# KiCad board corne-cherry-wireless.kicad_pcb
title: Corne Cherry Wireless; date: 2024-02-16; rev: 1.0.1; company: foostan & GsvCargoCult
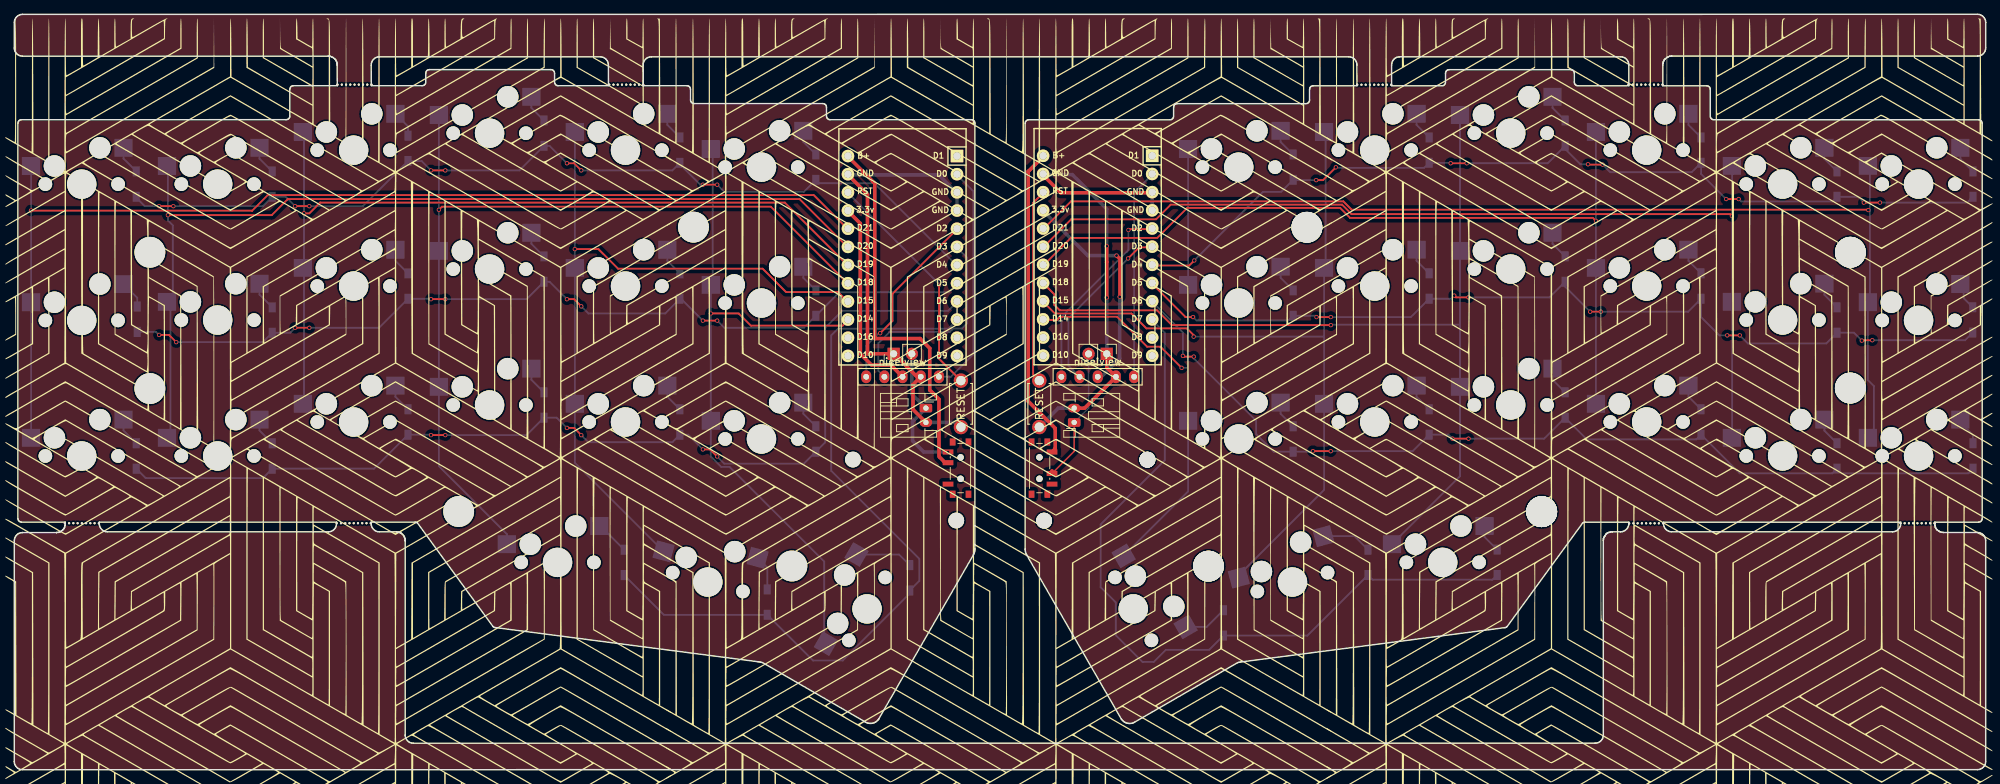
[diagram p0: board, top side]
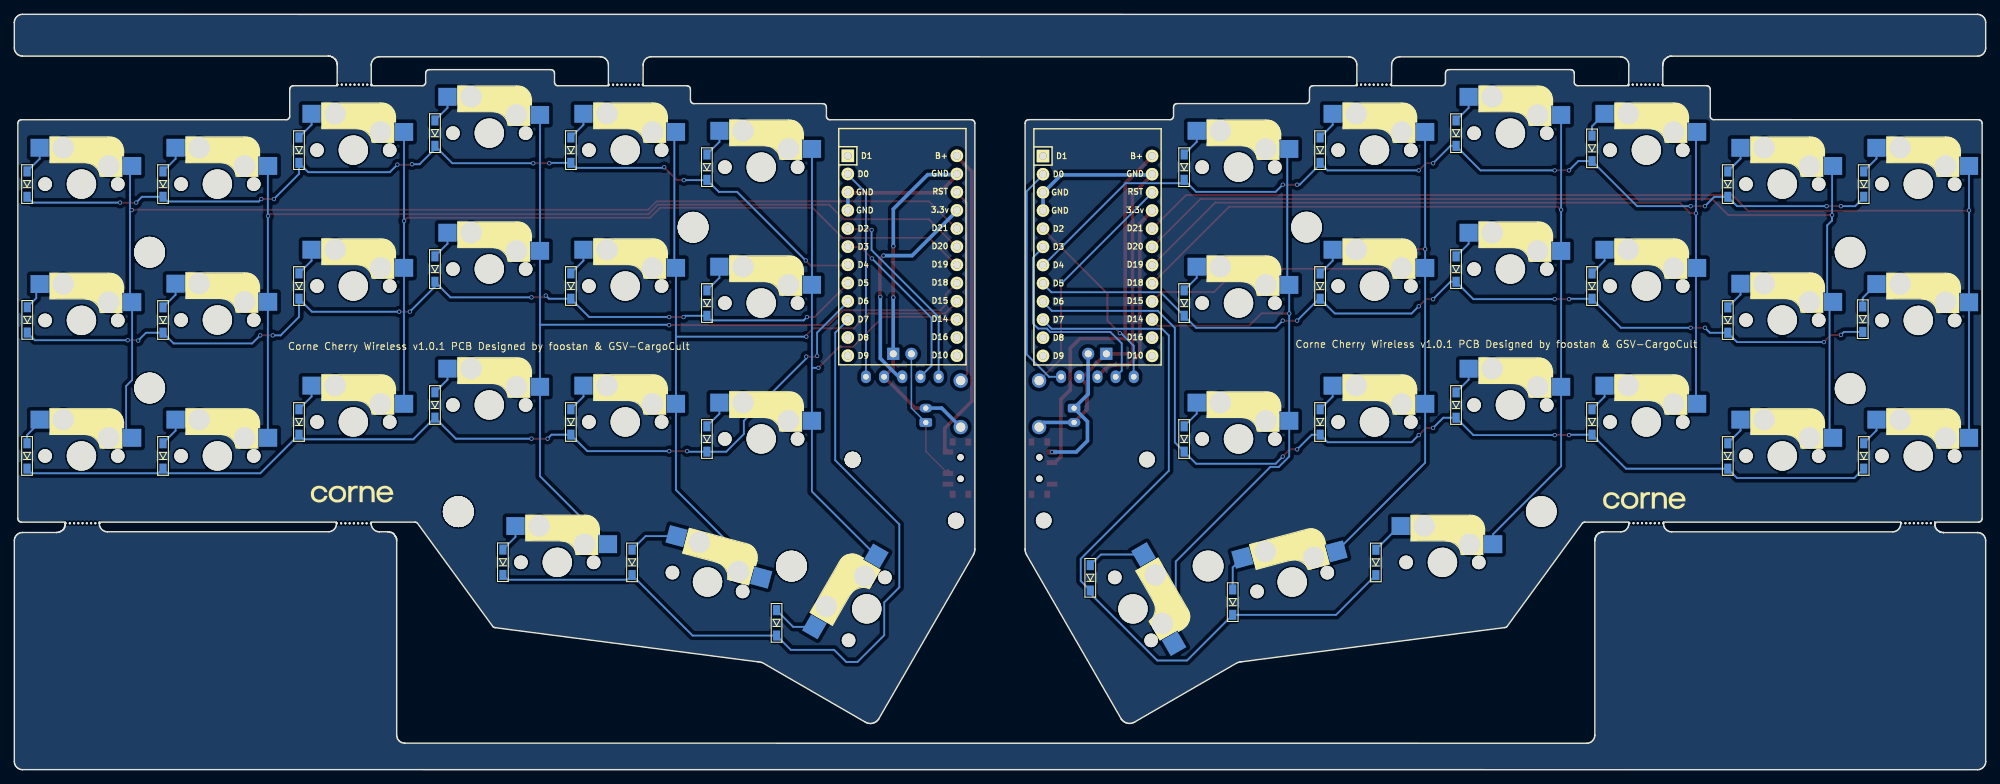
[diagram p1: board, bottom side, seen from below]

Outline 275.51 x 105.6 mm; copper layers: Top, Bottom. Coordinates in mm from the lower left corner of the outline.
Outline path: 0.5,35.12 0.5,90.36 0.53,90.53 0.6,90.66 0.7,90.76 0.83,90.83 1,90.86 38,90.87 ; 0.5,35.11 0.53,34.94 0.6,34.81 0.7,34.71 0.83,34.64 1,34.61 7.12,34.61 7.12,34.38 7.12,34.38 7.1,34.15 7.1,34.14 7.03,33.92 7.03,33.91 7.03,33.91 6.92,33.71 6.92,33.7 6.77,33.52 6.77,33.51 6.76,33.51 6.58,33.36 6.58,33.36 6.37,33.25 6.36,33.24 6.14,33.17 6.13,33.17 5.9,33.15 1.13,33.15 0.91,33.13 0.7,33.06 0.5,32.95 0.33,32.81 0.19,32.64 0.09,32.45 0.02,32.23 0,32.01 0,1.13 0.02,0.91 0.09,0.7 0.2,0.5 0.34,0.33 0.51,0.19 0.7,0.08 0.92,0.02 1.14,0 274.37,0.01 274.38,0.01 274.6,0.03 274.81,0.1 275.01,0.2 275.18,0.34 275.32,0.52 275.42,0.71 275.49,0.92 275.51,1.15 275.51,32.03 275.48,32.25 275.42,32.46 275.31,32.66 275.17,32.83 275,32.97 274.8,33.07 274.59,33.14 274.37,33.16 269.62,33.16 269.38,33.18 269.38,33.18 269.37,33.18 269.15,33.25 269.14,33.25 268.94,33.36 268.93,33.37 268.75,33.51 268.75,33.52 268.74,33.52 268.6,33.7 268.59,33.71 268.48,33.91 268.48,33.92 268.41,34.14 268.41,34.15 268.38,34.38 268.38,34.39 268.38,34.39 268.39,34.6 274.52,34.6 274.69,34.64 274.82,34.7 274.92,34.81 274.99,34.94 275.02,35.11 ; 38,90.86 38.17,90.89 38.3,90.96 38.4,91.06 38.47,91.19 38.5,91.36 ; 38.5,95.12 38.5,91.37 ; 38.5,95.11 38.53,95.28 38.6,95.41 38.7,95.51 38.83,95.58 39,95.61 45.13,95.61 45.13,98.51 45.13,98.52 45.1,98.76 45.1,98.77 45.1,98.77 45.03,98.99 45.03,98.99 44.92,99.2 44.91,99.21 44.91,99.21 44.76,99.39 44.76,99.39 44.58,99.54 44.57,99.55 44.36,99.65 44.36,99.65 44.36,99.66 44.13,99.72 44.12,99.73 43.89,99.75 1.14,99.75 0.92,99.77 0.7,99.83 0.51,99.94 0.34,100.08 0.2,100.25 0.09,100.44 0.02,100.66 0,100.88 0,104.45 0.02,104.67 0.09,104.88 0.19,105.08 0.33,105.25 0.5,105.39 0.7,105.5 0.91,105.56 1.13,105.59 1.14,105.59 274.37,105.6 274.59,105.57 274.8,105.51 275,105.4 275.17,105.27 275.31,105.09 275.42,104.9 275.48,104.69 275.51,104.46 275.51,100.9 275.49,100.68 275.42,100.46 275.32,100.27 275.18,100.09 275.01,99.95 274.81,99.85 274.6,99.78 274.38,99.76 231.61,99.76 231.38,99.73 231.37,99.73 231.14,99.66 231.14,99.66 230.93,99.55 230.93,99.54 230.92,99.54 230.75,99.4 230.74,99.39 230.74,99.39 230.59,99.21 230.59,99.2 230.59,99.2 230.59,99.2 230.48,99 230.47,98.99 230.47,98.99 230.41,98.77 230.41,98.76 230.41,98.76 230.38,98.52 230.38,98.52 230.39,95.61 236.52,95.61 236.69,95.58 236.82,95.5 236.92,95.4 236.99,95.27 237.02,95.11 ; 55.77,3.7 55.54,3.72 55.33,3.78 55.13,3.89 54.96,4.03 54.82,4.2 54.71,4.4 54.65,4.61 54.63,4.83 54.63,32.02 54.6,32.26 54.6,32.27 54.53,32.49 54.53,32.49 54.42,32.7 54.41,32.71 54.26,32.89 54.26,32.89 54.08,33.04 54.07,33.04 54.07,33.04 54.07,33.05 53.86,33.15 53.86,33.16 53.63,33.22 53.63,33.23 53.62,33.23 53.39,33.25 51.02,33.25 50.79,33.27 50.58,33.33 50.38,33.44 50.21,33.58 50.07,33.75 49.96,33.94 49.9,34.16 49.88,34.38 49.88,34.39 49.87,34.61 56,34.61 56.09,34.6 56.24,34.55 56.36,34.47 66.9,20.01 67.02,19.92 67.16,19.87 67.25,19.86 103.92,15.09 104.08,15.07 104.26,15.04 104.42,15.01 104.58,14.96 118.87,6.7 119,6.63 119.14,6.56 119.29,6.51 119.46,6.48 119.64,6.47 119.83,6.48 120,6.51 120.15,6.56 120.3,6.63 120.42,6.7 120.55,6.79 120.65,6.89 120.74,7 120.8,7.08 120.8,7.08 134.03,30.02 134.1,30.15 134.16,30.29 134.2,30.45 134.24,30.62 134.25,30.8 134.25,30.89 ; 55.77,3.7 220.93,3.71 220.94,3.71 221.16,3.73 221.37,3.8 221.57,3.9 221.74,4.04 221.88,4.22 221.98,4.41 222.05,4.63 222.07,4.85 222.07,32.02 222.09,32.26 222.09,32.26 222.09,32.27 222.16,32.49 222.16,32.49 222.17,32.5 222.28,32.7 222.28,32.71 222.43,32.89 222.43,32.89 222.43,32.9 222.61,33.04 222.62,33.05 222.82,33.16 222.83,33.16 222.83,33.16 223.05,33.23 223.06,33.23 223.29,33.26 224.5,33.26 224.72,33.28 224.94,33.35 225.13,33.45 225.3,33.59 225.44,33.77 225.55,33.96 225.61,34.18 225.63,34.4 225.64,34.6 219.52,34.6 219.43,34.6 219.28,34.54 219.16,34.46 208.62,20 208.51,19.92 208.36,19.86 208.27,19.86 171.6,15.09 171.44,15.06 171.26,15.04 171.1,15 170.94,14.96 156.65,6.7 156.52,6.62 156.39,6.56 156.23,6.5 156.07,6.47 155.88,6.46 155.69,6.47 155.52,6.5 155.37,6.55 155.23,6.62 155.1,6.69 154.99,6.78 154.88,6.88 154.78,6.98 154.72,7.07 154.72,7.07 141.49,30.01 ; 57,95.62 49.89,95.62 49.88,98.51 49.9,98.73 49.96,98.95 50.07,99.14 50.21,99.31 50.38,99.45 50.57,99.56 50.78,99.63 51.01,99.65 81.88,99.65 82.11,99.63 82.32,99.56 82.52,99.46 82.69,99.32 82.83,99.15 82.94,98.95 83,98.74 83.02,98.52 83.02,98.51 83.04,95.61 76,95.61 75.83,95.64 75.7,95.71 75.6,95.81 75.53,95.94 75.5,96.11 ; 57,95.61 57.17,95.64 57.3,95.71 57.4,95.81 57.48,95.94 57.5,96.11 ; 57.5,96.12 57.5,97.36 57.53,97.53 57.6,97.66 57.7,97.76 57.83,97.83 58,97.86 ; 75,97.87 58,97.87 ; 75,97.86 75.17,97.83 75.3,97.76 75.4,97.67 75.47,97.53 75.5,97.36 ; 75.5,96.12 75.5,97.37 ; 94,95.62 87.88,95.62 87.88,98.51 87.9,98.73 87.96,98.95 88.06,99.14 88.21,99.31 88.38,99.45 88.57,99.56 88.79,99.63 89.01,99.65 89.01,99.65 186.49,99.66 186.72,99.64 186.93,99.57 187.12,99.47 187.3,99.33 187.44,99.16 187.54,98.96 187.61,98.75 187.63,98.53 187.63,98.52 187.64,95.61 181.52,95.61 ; 94,95.61 94.17,95.59 94.3,95.51 94.4,95.42 94.47,95.28 94.5,95.11 ; 94.5,93.62 94.5,95.12 ; 94.5,93.61 94.53,93.44 94.6,93.31 94.7,93.21 94.83,93.14 95,93.11 ; 113,93.12 95,93.12 ; 113,93.11 113.17,93.08 113.3,93.01 113.4,92.92 113.47,92.78 113.5,92.61 ; 113.5,92.62 113.5,91.36 113.53,91.19 113.6,91.06 113.7,90.96 113.84,90.89 114,90.86 133.75,90.87 ; 133.75,90.86 133.92,90.84 134.05,90.76 134.15,90.67 134.22,90.53 134.25,90.36 ; 134.25,90.37 134.25,30.89 ; 141.27,90.36 141.27,30.88 ; 141.27,90.36 141.3,90.53 141.37,90.66 141.47,90.76 141.6,90.83 141.77,90.86 ; 141.27,30.88 141.27,30.79 141.29,30.6 141.32,30.44 141.37,30.28 141.43,30.14 141.5,30.01 ; 141.77,90.86 161.52,90.86 161.69,90.88 161.82,90.95 161.92,91.05 161.99,91.18 162.02,91.36 162.02,92.61 ; 162.02,92.61 162.05,92.78 162.12,92.91 162.22,93.01 162.35,93.08 162.52,93.11 ; 162.52,93.11 180.52,93.11 ; 180.52,93.11 180.69,93.13 180.81,93.21 180.92,93.3 180.99,93.43 181.02,93.61 ; 181.02,95.11 181.05,95.28 181.12,95.4 181.22,95.51 181.35,95.58 181.52,95.61 ; 181.02,93.61 181.02,95.11 ; 200.02,97.36 200.05,97.53 200.12,97.66 200.22,97.76 200.35,97.83 200.52,97.86 ; 200.02,96.11 200.02,97.36 ; 200.02,96.11 199.99,95.94 199.92,95.8 199.82,95.7 199.69,95.63 199.52,95.61 192.48,95.61 192.48,98.52 192.5,98.74 192.57,98.95 192.67,99.15 192.81,99.32 192.98,99.46 193.18,99.57 193.39,99.63 193.61,99.66 224.49,99.66 224.72,99.64 224.93,99.57 225.13,99.47 225.3,99.33 225.44,99.16 225.54,98.96 225.61,98.75 225.63,98.53 225.63,98.52 225.63,95.61 218.52,95.61 ; 200.52,97.86 217.52,97.86 ; 217.52,97.86 217.69,97.83 217.82,97.75 217.92,97.66 217.99,97.53 218.02,97.36 ; 218.02,97.36 218.02,96.11 ; 218.02,96.11 218.05,95.94 218.12,95.81 218.22,95.71 218.35,95.64 218.52,95.61 ; 237.02,95.11 237.02,91.36 ; 237.02,91.36 237.05,91.19 237.12,91.06 237.22,90.96 237.35,90.89 237.52,90.86 ; 237.52,90.86 274.52,90.86 274.69,90.83 274.82,90.75 274.92,90.66 274.99,90.52 275.02,90.36 275.02,35.11 ; 11.87,34.39 11.87,34.38 11.9,34.16 11.96,33.94 12.07,33.75 12.21,33.58 12.38,33.44 12.58,33.33 12.79,33.27 13.01,33.25 43.89,33.25 44.12,33.27 44.33,33.34 44.52,33.44 44.69,33.58 44.84,33.76 44.94,33.95 45,34.17 45.03,34.39 45.03,34.61 11.88,34.61 11.87,34.39 ; 230.48,34.4 230.48,34.39 230.51,34.17 230.57,33.95 230.68,33.76 230.82,33.59 230.99,33.45 231.19,33.34 231.4,33.28 231.62,33.26 262.5,33.26 262.72,33.28 262.94,33.35 263.13,33.45 263.3,33.59 263.44,33.77 263.55,33.96 263.61,34.18 263.63,34.4 263.64,34.61 230.49,34.61 230.48,34.4
Stack: Top 0.035mm / dielectric 1.51mm FR4 er 4.5 / Bottom 0.035mm

## Placement (name value [footprint] x y rotation side)
BATJ1  Conn_01x02_Socket  [PinHeader_1x02_P2.54mm_Vertical]  122.89 58.13 90 top
BATJ2  Conn_01x02_Socket  [JST_PH_S2B-PH-K_1x02_P2.00mm_Horizontal]  127.4 50.54 270 top
BATJ3  Conn_01x02_Socket  [PinHeader_1x02_P2.54mm_Vertical]  152.68 58.13 270 top
BATJ4  Conn_01x02_Socket  [JST_PH_S2B-PH-K_1x02_P2.00mm_Horizontal]  148.12 48.54 90 top
D1  D  [D3_SMD_v2]  17.05 81.86 90 bottom
D2  D  [D3_SMD_v2]  36.05 81.85 90 bottom
D3  D  [D3_SMD_v2]  55.02 86.85 90 bottom
D4  D  [D3_SMD_v2]  74.02 88.98 90 bottom
D5  D  [D3_SMD_v2]  93.02 86.6 90 bottom
D6  D  [D3_SMD_v2]  112.02 84.23 90 bottom
D7  D  [D3_SMD_v2]  17.18 62.97 90 bottom
D8  D  [D3_SMD_v2]  36.05 62.85 90 bottom
D9  D  [D3_SMD_v2]  55.02 67.6 90 bottom
D10  D  [D3_SMD_v2]  74.02 69.98 90 bottom
D11  D  [D3_SMD_v2]  93.02 67.6 90 bottom
D12  D  [D3_SMD_v2]  112.02 65.23 90 bottom
D13  D  [D3_SMD_v2]  17.05 43.86 90 bottom
D14  D  [D3_SMD_v2]  36.05 43.85 90 bottom
D15  D  [D3_SMD_v2]  55.02 48.6 90 bottom
D16  D  [D3_SMD_v2]  74.02 50.98 90 bottom
D17  D  [D3_SMD_v2]  93.02 48.6 90 bottom
D18  D  [D3_SMD_v2]  112.02 46.23 90 bottom
D19  D  [D3_SMD_v2]  85.23 28.97 90 bottom
D20  D  [D3_SMD_v2]  105.23 23.42 90 bottom
D21  D  [D3_SMD_v2]  125.13 26.82 90 bottom
D22  D  [D3_SMD_v2]  273.73 81.86 90 bottom
D23  D  [D3_SMD_v2]  254.73 81.86 90 bottom
D24  D  [D3_SMD_v2]  235.73 86.61 90 bottom
D25  D  [D3_SMD_v2]  216.73 88.98 90 bottom
D26  D  [D3_SMD_v2]  197.73 86.61 90 bottom
D27  D  [D3_SMD_v2]  178.72 84.23 90 bottom
D28  D  [D3_SMD_v2]  273.7 62.88 90 bottom
D29  D  [D3_SMD_v2]  254.73 62.86 90 bottom
D30  D  [D3_SMD_v2]  235.73 67.61 90 bottom
D31  D  [D3_SMD_v2]  216.73 69.98 90 bottom
D32  D  [D3_SMD_v2]  197.73 67.61 90 bottom
D33  D  [D3_SMD_v2]  178.72 65.23 90 bottom
D34  D  [D3_SMD_v2]  273.73 43.86 90 bottom
D35  D  [D3_SMD_v2]  254.73 43.86 90 bottom
D36  D  [D3_SMD_v2]  235.73 48.61 90 bottom
D37  D  [D3_SMD_v2]  216.73 50.98 90 bottom
D38  D  [D3_SMD_v2]  197.73 48.61 90 bottom
D39  D  [D3_SMD_v2]  178.72 46.23 90 bottom
D40  D  [D3_SMD_v2]  207.23 29 90 bottom
D41  D  [D3_SMD_v2]  189.18 28.98 90 bottom
D42  D  [D3_SMD_v2]  168.98 20.52 90 bottom
G***  -  [LOGO]  45.3 49.14 0 top
G***#2  -  [LOGO]  229.9 49.14 0 top
G***#3  -  [LOGO]  137.6 49.14 0 top
G***#4  LOGO  [corne-logo-horizontal]  47.6 37.54 180 bottom
G***#5  LOGO  [corne-logo-horizontal]  228.2 38.44 180 bottom
J2  Nice!View  [nice_view_1side]  119.06 54.92 0 top
J4  Nice!View  [nice_view_1side]  146.33 54.92 0 top
NOREF  -  [unnamed]  143.92 34.81 0 top
NOREF#2  -  [unnamed]  158.35 43.34 0 top
NOREF#3  -  [unnamed#2]  213.46 36.07 0 top
NOREF#4  -  [unnamed]  158.35 43.34 0 top
NOREF#5  -  [unnamed#2]  213.46 36.07 0 top
PSW1  SW_SPDT  [SW_SPDT_PCM12]  131.92 42.16 90 top
PSW_r1  SW_SPDT  [SW_SPDT_PCM12]  143.6 42.16 270 top
r  -  [unnamed]  143.92 34.81 0 top
REF**  -  [Breakaway_Tabs]  47.55 95.77 0 top
Ref**  Val**  [M2_HOLE_v2]  117.21 43.36 0 top
REF**#2  -  [Breakaway_Tabs]  85.52 95.76 0 top
Ref**#2  Val**  [M2_HOLE_v2#2]  213.46 36.07 0 top
REF**#3  -  [Breakaway_Tabs]  47.44 34.46 0 top
Ref**#3  Val**  [M2_HOLE_v2#2]  256.6 72.33 180 top
Ref**#4  Val**  [M2_HOLE_v2#2]  180.65 75.82 180 top
REF**#4  -  [Breakaway_Tabs]  9.44 34.46 0 top
Ref**#5  Val**  [M2_HOLE_v2#2]  166.89 28.45 180 top
REF**#5  -  [Breakaway_Tabs]  265.97 34.45 180 bottom
Ref**#6  Val**  [M2_HOLE_v2]  158.35 43.34 0 top
REF**#6  -  [Breakaway_Tabs]  190.05 95.75 180 bottom
Ref**#7  Val**  [M2_HOLE_v2#2]  213.46 36.07 0 top
REF**#7  -  [Breakaway_Tabs]  227.96 95.76 180 bottom
Ref**#8  Val**  [M2_HOLE_v2]  131.64 34.83 0 top
REF**#8  -  [Breakaway_Tabs]  228.05 34.44 180 bottom
Ref**#9  Val**  [M2_HOLE_v2#2]  180.65 75.82 180 top
Ref**#10  Val**  [M2_HOLE_v2#2]  18.95 72.33 0 top
Ref**#11  Val**  [M2_HOLE_v2#2]  62.1 36.09 0 top
Ref**#12  Val**  [M2_HOLE_v2#2]  256.59 53.35 180 top
Ref**#13  Val**  [M2_HOLE_v2#2]  108.67 28.47 0 top
Ref**#14  Val**  [M2_HOLE_v2#2]  18.95 53.28 0 top
Ref**#15  Val**  [M2_HOLE_v2#2]  256.59 53.35 180 top
Ref**#16  Val**  [M2_HOLE_v2#2]  166.89 28.45 180 top
Ref**#17  Val**  [M2_HOLE_v2#2]  94.91 75.84 0 top
Ref**#18  Val**  [M2_HOLE_v2#2]  256.6 72.33 180 top
Ref**#19  Val**  [M2_HOLE_v2]  158.35 43.34 0 top
RSW1  SW_PUSH  [ResetSW_1side]  132.29 51.14 90 top
RSW2  SW_PUSH  [ResetSW_1side]  143.25 51.14 90 top
SW1  SW_PUSH  [CherryMX_Hotswap]  9.42 81.85 0 top
SW2  SW_PUSH  [CherryMX_Hotswap]  28.42 81.85 0 top
SW3  SW_PUSH  [CherryMX_Hotswap]  47.42 86.6 0 top
SW4  SW_PUSH  [CherryMX_Hotswap]  66.42 88.98 0 top
SW5  SW_PUSH  [CherryMX_Hotswap]  85.42 86.6 0 top
SW6  SW_PUSH  [CherryMX_Hotswap]  104.42 84.23 0 top
SW7  SW_PUSH  [CherryMX_Hotswap]  9.42 62.8 0 top
SW8  SW_PUSH  [CherryMX_Hotswap]  28.42 62.85 0 top
SW9  SW_PUSH  [CherryMX_Hotswap]  47.42 67.6 0 top
SW10  SW_PUSH  [CherryMX_Hotswap]  66.42 69.98 0 top
SW11  SW_PUSH  [CherryMX_Hotswap]  85.42 67.6 0 top
SW12  SW_PUSH  [CherryMX_Hotswap]  104.42 65.23 0 top
SW13  SW_PUSH  [CherryMX_Hotswap]  9.42 43.85 0 top
SW14  SW_PUSH  [CherryMX_Hotswap]  28.42 43.85 0 top
SW15  SW_PUSH  [CherryMX_Hotswap]  47.42 48.6 0 top
SW16  SW_PUSH  [CherryMX_Hotswap]  66.42 50.98 0 top
SW17  SW_PUSH  [CherryMX_Hotswap]  85.42 48.6 0 top
SW18  SW_PUSH  [CherryMX_Hotswap]  104.42 46.23 0 top
SW19  SW_PUSH  [CherryMX_Hotswap]  75.92 28.98 0 top
SW20  SW_PUSH  [CherryMX_Hotswap]  96.92 26.23 345 top
SW21  SW_PUSH  [CherryMX_Hotswap_1.5u]  119.17 22.48 60 top
SW22  SW_PUSH  [CherryMX_Hotswap]  266.13 81.86 0 top
SW23  SW_PUSH  [CherryMX_Hotswap]  247.13 81.86 0 top
SW24  SW_PUSH  [CherryMX_Hotswap]  228.13 86.61 0 top
SW25  SW_PUSH  [CherryMX_Hotswap]  209.13 88.98 0 top
SW26  SW_PUSH  [CherryMX_Hotswap]  190.13 86.61 0 top
SW27  SW_PUSH  [CherryMX_Hotswap]  171.12 84.23 0 top
SW28  SW_PUSH  [CherryMX_Hotswap]  266.13 62.81 0 top
SW29  SW_PUSH  [CherryMX_Hotswap]  247.13 62.86 0 top
SW30  SW_PUSH  [CherryMX_Hotswap]  228.13 67.61 0 top
SW31  SW_PUSH  [CherryMX_Hotswap]  209.13 69.98 0 top
SW32  SW_PUSH  [CherryMX_Hotswap]  190.13 67.61 0 top
SW33  SW_PUSH  [CherryMX_Hotswap]  171.13 65.23 0 top
SW34  SW_PUSH  [CherryMX_Hotswap]  266.13 43.86 0 top
SW35  SW_PUSH  [CherryMX_Hotswap]  247.13 43.86 0 top
SW36  SW_PUSH  [CherryMX_Hotswap]  228.13 48.61 0 top
SW37  SW_PUSH  [CherryMX_Hotswap]  209.13 50.98 0 top
SW38  SW_PUSH  [CherryMX_Hotswap]  190.13 48.61 0 top
SW39  SW_PUSH  [CherryMX_Hotswap]  171.13 46.23 0 top
SW40  SW_PUSH  [CherryMX_Hotswap]  199.63 28.98 0 top
SW41  SW_PUSH  [CherryMX_Hotswap]  178.63 26.23 15 top
SW42  SW_PUSH  [CherryMX_Hotswap_1.5u]  156.38 22.48 300 top
U1  Nice!Nano  [Nice_Nano_V2_Flipped]  124.13 71.81 0 top
U2  Nice!Nano  [Nice_Nano_V2_Flipped]  151.4 71.84 0 top

## Library data of the parts
BATJ1-BATJ4 = -: Description: Generic connector, single row, 01x02, script generated
D1-D42 = -: Description: Diode
J2 J4 = -: Description: Generic connector, single row, 01x05, script generated (kicad-library-utils/schlib/autogen/connector/)
PSW1 PSW_r1 = -: Description: Switch, single pole double throw
U1 U2 = -: Field4: GND; Field5: D7

## Footprints (pads in the part's own frame, mm; a bottom-side part is the same pattern mirrored in y, then rotated)
Breakaway_Tabs
  round 0.3 hole 0.3 unplated: (-2.375,0) (-1.781,0) (-1.188,0) (-0.594,0) (0,0) (0.594,0) (1.188,0) (1.781,0) (2.375,0)
CherryMX_Hotswap
  round 1.9 hole 1.9 unplated: (-5.08,0) (5.08,0)
  round 3 hole 3 unplated: (-3.81,2.54) (2.54,5.08)
  round 4.1 hole 4.1 unplated: (0,0)
  rect 2.55x2.5 smd far side: 1(-7.085,2.54) 2(5.842,5.08)
CherryMX_Hotswap_1.5u
  round 1.9 hole 1.9 unplated: (-5.08,0) (5.08,0)
  round 3 hole 3 unplated: (-3.81,2.54) (2.54,5.08)
  round 4.1 hole 4.1 unplated: (0,0)
  rect 2.55x2.5 smd far side: 1(-7.085,2.54) 2(5.842,5.08)
D3_SMD_v2
  rect 1.4x1 smd: 1(-1.775,0) 2(1.775,0)
JST_PH_S2B-PH-K_1x02_P2.00mm_Horizontal
  rrect 1.2x1.75 hole 0.75: 1(0,0)
  oval 1.2x1.75 hole 0.75: 2(2,0)
M2_HOLE_v2
  round 2.2 hole 2.2 unplated: (0,0)
M2_HOLE_v2#2
  round 4.3 hole 4.3 unplated: (0,0)
Nice_Nano_V2_Flipped
  rect 1.753x1.753 hole 1.092: 1(7.62,13.97)
  round 1.753 hole 1.092: 2(7.62,11.43) 3(7.62,8.89) 4(7.62,6.35) 5(7.62,3.81) 6(7.62,1.27) 7(7.62,-1.27) 8(7.62,-3.81) 9(7.62,-6.35) 10(7.62,-8.89) 11(7.62,-11.43) 12(7.62,-13.97) 13(-7.62,-13.97) 14(-7.62,-11.43) 15(-7.62,-8.89) 16(-7.62,-6.35) 17(-7.62,-3.81) 18(-7.62,-1.27) 19(-7.62,1.27) 20(-7.62,3.81) 21(-7.62,6.35) 22(-7.62,8.89) 23(-7.62,11.43) 24(-7.62,13.97)
nice_view_1side
  oval 1.397x1.778 hole 0.813: 1(0,0) 2(2.54,0) 3(5.08,0) 4(7.62,0) 5(10.16,0)
PinHeader_1x02_P2.54mm_Vertical
  rect 1.7x1.7 hole 1: 1(0,0)
  oval 1.7x1.7 hole 1: 2(0,-2.54)
ResetSW_1side
  round 2 hole 1.3: 1(3.25,0) 2(-3.25,0)
SW_SPDT_PCM12
  rect 1x0.8 smd: (-3.65,0.78) (-3.65,-1.43) (3.65,0.78) (3.65,-1.43)
  round 0.9 hole 0.9 unplated: (-1.5,-0.33) (1.5,-0.33)
  rect 0.7x1.5 smd: 1(-2.25,1.43) 2(0.75,1.43) 3(2.25,1.43)
unnamed
  round 2.2 hole 2.2 unplated: (0,0)
unnamed#2
  round 4.3 hole 4.3 unplated: (0,0)

## Nets
GND: BATJ1.1 BATJ2.2 J2.4 RSW1.2 U1.3 U1.4 U1.23
GNDA: BATJ3.1 BATJ4.2 J4.4 RSW2.2 U2.3 U2.4 U2.23
VCC: J2.3 U1.21
VDD: J4.3 U2.21
+BATT: PSW1.2 U1.24
+BATTA: PSW_r1.1 U2.24
col0: SW1.1 SW7.1 SW13.1 U1.20
col0_r: SW22.1 SW28.1 SW34.1 U2.20
col1: SW2.1 SW8.1 SW14.1 U1.19
col1_r: SW23.1 SW29.1 SW35.1 U2.19
col2: SW3.1 SW9.1 SW15.1 U1.18
col2_r: SW24.1 SW30.1 SW36.1 U2.18
col3: SW4.1 SW10.1 SW16.1 SW19.1 U1.17
col3_r: SW25.1 SW31.1 SW37.1 SW40.1 U2.17
col4: SW5.1 SW11.1 SW17.1 SW20.1 U1.16
col4_r: SW26.1 SW32.1 SW38.1 SW41.1 U2.16
col5: SW6.1 SW12.1 SW18.1 SW21.1 U1.15
col5_r: SW27.1 SW33.1 SW39.1 SW42.1 U2.15
CS: J2.5 U1.2
CS_r: J4.5 U2.2
reset: RSW1.1 U1.22
reset_r: RSW2.1 U2.22
row0: D1.1 D2.1 D3.1 D4.1 D5.1 D6.1 U1.7
row0_r: D22.1 D23.1 D24.1 D25.1 D26.1 D27.1 U2.7
row1: D7.1 D8.1 D9.1 D10.1 D11.1 D12.1 U1.8
row1_r: D28.1 D29.1 D30.1 D31.1 D32.1 D33.1 U2.8
row2: D13.1 D14.1 D15.1 D16.1 D17.1 D18.1 U1.9
row2_r: D34.1 D35.1 D36.1 D37.1 D38.1 D39.1 U2.9
row3: D19.1 D20.1 D21.1 U1.10
row3_r: D40.1 D41.1 D42.1 U2.10
SCL: J2.2 U1.6
SCL_r: J4.2 U2.6
SDA: J2.1 U1.5
SDA_r: J4.1 U2.5
Net-(BATJ1-Pin_2): BATJ1.2 BATJ2.1 PSW1.3
Net-(BATJ3-Pin_2): BATJ3.2 BATJ4.1 PSW_r1.2
Net-(D1-A): D1.2 SW1.2
Net-(D2-A): D2.2 SW2.2
Net-(D3-A): D3.2 SW3.2
Net-(D4-A): D4.2 SW4.2
Net-(D5-A): D5.2 SW5.2
Net-(D6-A): D6.2 SW6.2
Net-(D7-A): D7.2 SW7.2
Net-(D8-A): D8.2 SW8.2
Net-(D9-A): D9.2 SW9.2
Net-(D10-A): D10.2 SW10.2
Net-(D11-A): D11.2 SW11.2
Net-(D12-A): D12.2 SW12.2
Net-(D13-A): D13.2 SW13.2
Net-(D14-A): D14.2 SW14.2
Net-(D15-A): D15.2 SW15.2
Net-(D16-A): D16.2 SW16.2
Net-(D17-A): D17.2 SW17.2
Net-(D18-A): D18.2 SW18.2
Net-(D19-A): D19.2 SW19.2
Net-(D20-A): D20.2 SW20.2
Net-(D21-A): D21.2 SW21.2
Net-(D22-A): D22.2 SW22.2
Net-(D23-A): D23.2 SW23.2
Net-(D24-A): D24.2 SW24.2
Net-(D25-A): D25.2 SW25.2
Net-(D26-A): D26.2 SW26.2
Net-(D27-A): D27.2 SW27.2
Net-(D28-A): D28.2 SW28.2
Net-(D29-A): D29.2 SW29.2
Net-(D30-A): D30.2 SW30.2
Net-(D31-A): D31.2 SW31.2
Net-(D32-A): D32.2 SW32.2
Net-(D33-A): D33.2 SW33.2
Net-(D34-A): D34.2 SW34.2
Net-(D35-A): D35.2 SW35.2
Net-(D36-A): D36.2 SW36.2
Net-(D37-A): D37.2 SW37.2
Net-(D38-A): D38.2 SW38.2
Net-(D39-A): D39.2 SW39.2
Net-(D40-A): D40.2 SW40.2
Net-(D41-A): D41.2 SW41.2
Net-(D42-A): D42.2 SW42.2

Pads without a net: PSW1 1; PSW_r1 3; U1 1 11 12 13 14; U2 1 11 12 13 14

## Via types
v1: diameter 0.6, hole 0.4, Top to Bottom, 75 vias

## Routing (per net, layer and track width the routed paths; a pad name or vN(x,y) marks a point on that pad's centre or on a via; arc(x,y) is an arc through that point)
GND: length 66.6
  Top w0.203: J2.4 126.23,54.48
  Top w0.5: 116.52,83.15 119.23,80.44 119.23,58.13 122.95,58.13 126.42,54.67 125.59,53.84 125.59,50.35 BATJ2.2
  Bottom w0.5: 116.52,83.15 129.2,83.15 131.74,80.61 131.74,78.07 ; RSW1.2 131.64,48.54 BATJ2.2
GNDA: length 67.6
  Top w0.5: J4.4 149.57,50.54 BATJ4.2 ; J4.4 152.68,56.2 BATJ3.1 ; J4.4 153.95,55.19 153.96,55.2 ; v1(152.66,66) 152.67,66.01 152.67,70.92 152.66,70.93 v1(152.66,73.17) ; 143.71,83.18 146.25,80.64 159.01,80.64
  Bottom w0.5: BATJ4.2 145.9,50.54 RSW2.2 ; BATJ3.1 152.68,65.99 v1(152.66,66) ; v1(152.66,73.17) 152.66,78.37 147.85,83.18 143.79,83.18 ; 159.01,80.64 159.01,78.1
VCC: length 27.9
  Top w0.5: J2.3 122.49,56.57 119.8,56.57 118.23,58.14 118.23,76.36 116.52,78.07
VDD: length 31.6
  Top w0.5: v1(154.04,71.87) 154.53,71.37 154.53,66.15 v1(154.48,66.1)
  Bottom w0.5: v1(154.04,71.87) 150.03,71.87 143.79,78.1 ; J4.3 151.91,54.92 154.48,57.49 v1(154.48,66.1)
+BATT: length 52.5
  Top w0.5: PSW1.2 130.09,42.91 129.24,43.76 129.24,51.78 127.93,53.08 127.93,58.91 126.58,60.27 120.26,60.27 120.26,81.95 116.52,85.69
+BATTA: length 43.9
  Top w0.5: PSW_r1.1 145.46,44.85 145.46,47.73 141.69,51.5 141.69,83.62 143.79,85.72
col0: length 155.1
  Top w0.254: 116.52,75.53 111.73,80.32 35.42,80.32 33.25,78.15 2.37,78.15 v1(2.34,78.18)
  Bottom w0.25: SW1.1 v1(2.34,78.18) SW7.1 SW13.1
col0_r: length 156.1
  Top w0.25: 143.79,75.56 147.67,79.44 185.74,79.44 186.9,78.28 259.06,78.28 v1(259.11,78.23)
  Bottom w0.25: 259.04,65.35 259.04,54.47 259.88,53.63 259.88,47.24 259.09,46.45 ; 259.11,65.41 259.33,65.64 259.33,84.11 259.11,84.33
col1: length 137.9
  Top w0.254: 116.52,72.99 109.73,79.77 38.23,79.77 35.98,77.52 v1(21.47,77.52)
  Bottom w0.254: 21.47,65.53 22.15,66.21 22.15,76.09 21.47,76.77 ; 21.47,76.77 v1(21.47,77.52) ; 21.47,76.77 21.47,84.26 ; 21.47,65.26 21.82,64.91 21.82,46.88 21.47,46.53
col1_r: length 136.9
  Top w0.254: v1(240.04,77.4) 239.79,77.65 186.89,77.65 185.56,78.99 161.62,78.99 159.57,76.94 147.71,76.94 143.79,73.02
  Bottom w0.254: 240.08,65.77 240.08,77.36 v1(240.04,77.4) 240.08,77.43 240.08,84.36 ; 240.08,65.36 240.08,46.43
col2: length 117.7
  Top w0.254: v1(40.48,77.77) 41.23,77.77 42.73,79.27 107.69,79.27 116.52,70.45
  Bottom w0.254: 40.48,89 40.48,70.29 ; 40.48,70 40.48,51.29
col2_r: length 119.3
  Top w0.25: 143.79,70.48 147.65,74.34 159.73,74.34 163.93,78.54 185.28,78.54 186.67,77.14 220.61,77.14 v1(221.04,76.71)
  Bottom w0.254: SW24.1 SW30.1 SW36.1
col3: length 125.8
  Top w0.254: 116.52,67.91 105.73,78.7 59.76,78.7 v1(59.34,78.27)
  Bottom w0.254: SW19.1 68.84,32.93 59.34,42.43 SW16.1 SW10.1 SW4.1
col3_r: length 125.5
  Top w0.254: 143.79,67.94 143.85,67.94 145.34,66.45 145.34,64.97 146.09,64.22 159.69,64.22 161.77,62.14 v1(183.99,62.14)
  Bottom w0.254: 202.04,62.2 184.05,62.2 v1(183.99,62.14) ; 202.04,62.2 SW37.1 202.04,41.02 SW40.1 ; 202.04,62.2 SW31.1 SW25.1
col4: length 105
  Top w0.254: v1(78.34,72.77) 81.64,72.77 84.38,70.03 104.58,70.03 107.84,66.77 115.11,66.77 116.52,65.37
  Bottom w0.254: SW5.1 SW11.1 SW17.1 78.34,42.92 SW20.1
col4_r: length 108.2
  Top w0.254: v1(164.82,60.53) 164.82,60.74 163.88,61.69 158.22,61.69 156.14,63.77 145.42,63.77 143.79,65.4
  Bottom w0.254: 183.14,70.25 183.26,70.37 183.26,88.93 183.14,89.05 ; 183.04,60.53 v1(164.82,60.53) ; 183.04,60.53 SW32.1 ; 183.04,60.53 SW38.1 183.04,39.11 171.13,27.19
col5: length 96.3
  Top w0.254: v1(97.34,63.77) 101.23,63.77 102.94,62.07 115.75,62.07 116.52,62.83
  Bottom w0.254: SW12.1 SW18.1 97.34,43.79 98.8,42.32 99.97,42.32 113.19,29.1 113.19,17.85 ; 97.42,67.86 97.6,68.04 97.6,86.5 97.42,86.68
col5_r: length 84
  Top w0.254: v1(163.13,56.17) 160.18,59.12 158.31,59.12 154.12,63.32 146.17,63.32 145.72,62.86 143.79,62.86
  Bottom w0.254: SW27.1 164.04,67.78 ; SW42.1 164.04,38.9 SW39.1 164.04,56.17 ; 164.04,56.17 v1(163.13,56.17) ; 164.04,56.17 SW33.1
CS: length 32.1
  Bottom w0.254: 131.74,83.15 134.02,80.86 134.02,58.06 130.89,54.92 J2.5
CS_r: length 29.3
  Bottom w0.254: 159.01,83.18 156.49,80.66 J4.5
reset: length 32.8
  Top w0.254: RSW1.1 129.23,57.45 v1(129.23,67.77)
  Bottom w0.254: 116.52,80.61 129.23,67.9 v1(129.23,67.77)
reset_r: length 26.4
  Top w0.254: 143.79,80.64 142.38,79.23 142.38,55.26 142.7,54.94
row0: length 129.7
  Top w0.254: v1(58.23,83.77) v1(60.23,83.77) ; v1(79.23,83.77) 78.23,84.77 v1(77.23,84.77) ; v1(39.23,78.77) v1(41.23,78.77) ; v1(96.23,81.77) v1(98.23,81.77) ; v1(20.23,78.77) v1(22.23,78.77)
  Bottom w0.254: v1(98.23,81.77) 99.23,80.77 110.34,80.77 D6.1 112.49,81.98 120.2,81.98 131.74,70.45 ; 17.23,79.77 18.23,78.77 v1(20.23,78.77) ; v1(77.23,84.77) 74.8,87.2 D4.1 70.59,83.77 v1(60.23,83.77) ; v1(39.23,78.77) 37.93,80.08 D2.1 34.74,78.77 v1(22.23,78.77) ; v1(58.23,83.77) 56.93,85.08 D3.1 48.72,78.77 v1(41.23,78.77) ; v1(79.23,83.77) 91.97,83.77 D5.1 ; v1(96.23,81.77) 95.88,81.77 93.02,84.63
row0_r: length 127.8
  Top w0.254: v1(240.98,79.77) v1(239.23,79.77) ; v1(202.98,84.77) v1(200.73,84.77) ; v1(260.73,79.27) v1(258.48,79.27) ; v1(181.94,82.41) 182.89,82.41 v1(184.69,84.21) ; v1(164.9,71.18) 164.2,70.48 159.01,70.48 ; v1(221.97,84.58) 219.98,84.58 v1(219.93,84.63)
  Bottom w0.254: D27.1 177.04,80.77 174.49,80.77 v1(164.9,71.18) ; v1(221.97,84.58) 223.03,83.52 234.42,83.52 D24.1 235.73,83.28 v1(239.23,79.77) ; v1(260.73,79.27) 272.92,79.27 D22.1 ; v1(219.93,84.63) 218.87,84.63 216.73,86.78 ; v1(202.98,84.77) 214.29,84.77 D25.1 ; v1(181.94,82.41) 181.94,82.41 178.72,82.41 ; v1(258.48,79.27) 257.67,80.08 D23.1 254.08,79.43 241.33,79.43 v1(240.98,79.77) ; v1(200.73,84.77) 200.67,84.83 D26.1 197.03,84.13 184.77,84.13 v1(184.69,84.21)
row1: length 125.4
  Top w0.254: v1(77.23,65.77) 78.23,65.77 v1(79.23,64.77) ; v1(22.62,59.77) 21.62,60.77 v1(20.23,60.77) ; v1(58.23,65.77) v1(60.23,65.77) ; v1(39.23,61.77) v1(41.23,61.77) ; v1(96.23,62.77) v1(98.23,62.77)
  Bottom w0.254: 93.18,65.83 v1(96.23,62.77) ; v1(39.23,61.77) 38.54,61.08 D8.1 34.74,59.77 v1(22.62,59.77) ; v1(98.23,62.77) 99.23,61.77 110.34,61.77 D12.1 115.31,66.74 130.57,66.74 131.74,67.91 ; v1(58.23,65.77) 58.18,65.83 D9.1 50.97,61.77 v1(41.23,61.77) ; D7.1 19.81,61.2 v1(20.23,60.77) ; v1(79.23,64.77) 80.23,63.77 90.97,63.77 D11.1 ; v1(77.23,65.77) 74.8,68.2 D10.1 71.59,65.77 v1(60.23,65.77)
row1_r: length 127.9
  Top w0.25: v1(259.67,60.03) 258.25,60.03 v1(258.2,59.98)
  Top w0.254: v1(239.38,60.71) v1(241.14,60.71) ; v1(221.73,64.02) v1(220.23,64.02) ; v1(183.98,63.27) v1(181.98,63.27) ; v1(201.23,66.27) 201.48,66.02 v1(203.23,66.02) ; v1(164.73,63.27) 163.68,63.27 159.01,67.94
  Bottom w0.25: D28.1 272.63,60.03 v1(259.67,60.03) ; v1(258.2,59.98) 257.1,61.08 D29.1
  Bottom w0.254: v1(201.23,66.27) 200.79,65.83 D32.1 195.17,63.27 v1(183.98,63.27) ; v1(203.23,66.02) 214.54,66.02 D31.1 216.73,67.53 v1(220.23,64.02) ; v1(239.38,60.71) 238.29,60.71 235.73,63.28 D30.1 233.92,64.02 v1(221.73,64.02) ; v1(181.98,63.27) 181.8,63.45 D33.1 178.07,62.81 165.2,62.81 v1(164.73,63.27) ; D29.1 253.23,59.58 242.27,59.58 v1(241.14,60.71)
row2: length 141
  Top w0.254: v1(58.23,46.77) v1(60.23,46.77) ; v1(96.23,44.77) 97.23,44.77 v1(98.23,43.77) ; v1(77.23,47.77) 78.23,47.77 v1(79.23,46.77)
  Bottom w0.254: v1(98.23,43.77) 99.23,42.77 110.34,42.77 D18.1 113.32,45.76 113.32,61.77 115.7,64.14 130.51,64.14 131.74,65.37 ; v1(96.23,44.77) 94.18,46.83 93.02,46.83 91.97,45.77 80.23,45.77 v1(79.23,46.77) ; v1(58.23,46.77) 58.18,46.83 55.02,46.83 50.27,42.08 D14.1 34.74,40.77 18.36,40.77 D13.1 ; v1(77.23,47.77) 75.8,49.2 D16.1 71.59,46.77 v1(60.23,46.77)
row2_r: length 133.5
  Top w0.254: v1(163.31,57.84) 163.41,57.74 v1(164.83,57.74) ; v1(203.23,46.27) v1(200.98,46.27) ; v1(183.98,44.52) v1(181.48,44.52)
  Bottom w0.254: 159.01,65.4 163.31,61.1 v1(163.31,57.84) ; v1(200.98,46.27) 200.42,46.83 D38.1 195.42,44.52 v1(183.98,44.52) ; v1(164.83,57.74) 164.83,57.49 173.55,48.77 173.55,46.91 176.01,44.45 D39.1 181.41,44.45 v1(181.48,44.52) ; v1(203.23,46.27) 213.79,46.27 216.73,49.21 219.75,46.18 235.08,46.18 D36.1 241.13,41.43 254.08,41.43 D35.1 255.38,41.43 273.08,41.43 D34.1
row3: length 108.5
  Bottom w0.254: 125.13,24.62 115.77,15.26 111.62,15.26 D20.1 90.78,21.65 D19.1 ; 125.13,25.05 126.47,26.39 126.47,29.47 114.16,41.78 114.16,60.71 115.1,61.64 130.55,61.64 131.74,62.83
row3_r: length 109.8
  Bottom w0.254: D40.1 206.56,26.56 189.83,26.56 189.18,27.21 180.72,18.75 D42.1 166.99,16.76 160.94,16.76 159.24,15.06 157.67,15.06 153.93,18.8 153.93,23.38 151.82,25.49 151.82,34.29 160.78,43.25 160.78,61.09 159.01,62.86
SCL: length 29.8
  Bottom w0.254: 131.74,72.99 133.16,71.57 133.16,62.41 132.42,61.66 131.21,61.66 130.74,61.19 122.33,61.19 120.74,59.6 120.74,55.78 J2.2
SCL_r: length 24.6
  Top w0.254: v1(155.65,71.46) 157.21,73.02 159.01,73.02
  Bottom w0.254: v1(155.65,71.46) 147.32,63.13 147.32,56.47 J4.2
SDA: length 26
  Top w0.254: v1(121,61.02) 122.73,62.75 122.73,66.53 131.74,75.53
  Bottom w0.254: J2.1 119.07,54.94 119.07,59.25 120.84,61.02 v1(121,61.02)
SDA_r: length 27.8
  Top w0.254: v1(155.7,75.44) 155.82,75.56 159.01,75.56
  Bottom w0.254: v1(155.7,75.44) 155.7,72.64 146.33,63.27 J4.1
Net-(BATJ1-Pin_2): length 19.4
  Bottom w0.5: 125.47,58.09 BATJ1.2 125.43,52.51 BATJ2.1 125.53,48.67 125.53,45.97 127.09,44.41 v1(130.49,44.41)
Net-(BATJ3-Pin_2): length 19.2
  Top w0.203: PSW_r1.2 148.12,44.51 BATJ4.1
  Top w0.5: PSW_r1.2 145.03,41.78
  Bottom w0.203: BATJ3.2 150.14,50.56 BATJ4.1
Net-(D1-A): length 4
  Bottom w0.254: D1.2 15.26,85.42 SW1.2
Net-(D2-A): length 4
  Bottom w0.254: D2.2 34.26,85.41 SW2.2
Net-(D3-A): length 3.8
  Bottom w0.254: D3.2 55.02,89.93 SW3.2
Net-(D4-A): length 4
  Bottom w0.254: SW4.2 72.26,92.51 D4.2
Net-(D5-A): length 4
  Bottom w0.254: D5.2 91.26,90.14 SW5.2
Net-(D6-A): length 4
  Bottom w0.254: D6.2 110.26,87.76 SW6.2
Net-(D7-A): length 3.9
  Bottom w0.25: D7.2 17.18,65.96 SW7.2
Net-(D8-A): length 4
  Bottom w0.254: D8.2 34.26,66.41 SW8.2
Net-(D9-A): length 4
  Bottom w0.254: SW9.2 53.26,71.14 D9.2
Net-(D10-A): length 4
  Bottom w0.254: SW10.2 72.26,73.51 D10.2
Net-(D11-A): length 4
  Bottom w0.254: D11.2 91.26,71.14 SW11.2
Net-(D12-A): length 4
  Bottom w0.254: D12.2 110.26,68.76 SW12.2
Net-(D13-A): length 4
  Bottom w0.254: D13.2 15.26,47.42 SW13.2
Net-(D14-A): length 4
  Bottom w0.254: D14.2 34.26,47.41 SW14.2
Net-(D15-A): length 4
  Bottom w0.254: D15.2 53.26,52.14 SW15.2
Net-(D16-A): length 4
  Bottom w0.254: D16.2 72.26,54.51 SW16.2
Net-(D17-A): length 4
  Bottom w0.254: SW17.2 91.26,52.14 D17.2
Net-(D18-A): length 4
  Bottom w0.254: D18.2 110.26,49.76 SW18.2
Net-(D19-A): length 4.7
  Bottom w0.254: 81.92,34.06 D19.2
Net-(D20-A): length 5
  Bottom w0.254: SW20.2 105.23,28.27 105.23,25.2
Net-(D21-A): length 8.1
  Bottom w0.254: D21.2 123.65,30.08 SW21.2
Net-(D22-A): length 4
  Bottom w0.254: SW22.2 271.97,85.39 D22.2
Net-(D23-A): length 4
  Bottom w0.254: D23.2 252.97,85.39 SW23.2
Net-(D24-A): length 4
  Bottom w0.254: D24.2 233.97,90.14 SW24.2
Net-(D25-A): length 4
  Bottom w0.254: D25.2 214.97,92.52 SW25.2
Net-(D26-A): length 4
  Bottom w0.254: SW26.2 195.97,90.14 D26.2
Net-(D27-A): length 4
  Bottom w0.254: D27.2 176.96,87.76 SW27.2
Net-(D28-A): length 3.8
  Bottom w0.25: D28.2 272.44,65.91 272.44,67.88
Net-(D29-A): length 4
  Bottom w0.254: SW29.2 252.97,66.39 D29.2
Net-(D30-A): length 4
  Bottom w0.254: SW30.2 233.97,71.14 D30.2
Net-(D31-A): length 4
  Bottom w0.254: D31.2 214.97,73.52 SW31.2
Net-(D32-A): length 4
  Bottom w0.254: D32.2 195.97,71.14 SW32.2
Net-(D33-A): length 4
  Bottom w0.254: D33.2 176.97,68.76 SW33.2
Net-(D34-A): length 4
  Bottom w0.254: 271.73,48.77 273.73,46.78 D34.2
Net-(D35-A): length 4
  Bottom w0.254: D35.2 252.97,47.39 SW35.2
Net-(D36-A): length 4
  Bottom w0.254: D36.2 233.97,52.14 233.97,53.69
Net-(D37-A): length 4
  Bottom w0.254: SW37.2 214.97,54.52 D37.2
Net-(D38-A): length 4
  Bottom w0.254: D38.2 195.97,52.14 195.97,53.69
Net-(D39-A): length 4
  Bottom w0.254: D39.2 176.97,49.76 SW39.2
Net-(D40-A): length 4
  Bottom w0.254: SW40.2 205.47,32.53 D40.2
Net-(D41-A): length 7
  Bottom w0.254: SW41.2 187.28,32.65 D41.2
Net-(D42-A): length 6.3
  Bottom w0.254: D42.2 166.65,19.96 SW42.2

## Copper pours and planes (outline as drawn; the poured copper is in the pictures)
(no net) on Top, Bottom: -12.75,127.59 283.84,127.59 284.22,-82.21 -12.83,-82.18

## Text on the board
B.Silkscreen: Corne Cherry Wireless v1.0.1 PCB Designed by foostan & GSV-CargoCult
